# KiCad board Label_LG.kicad_pcb
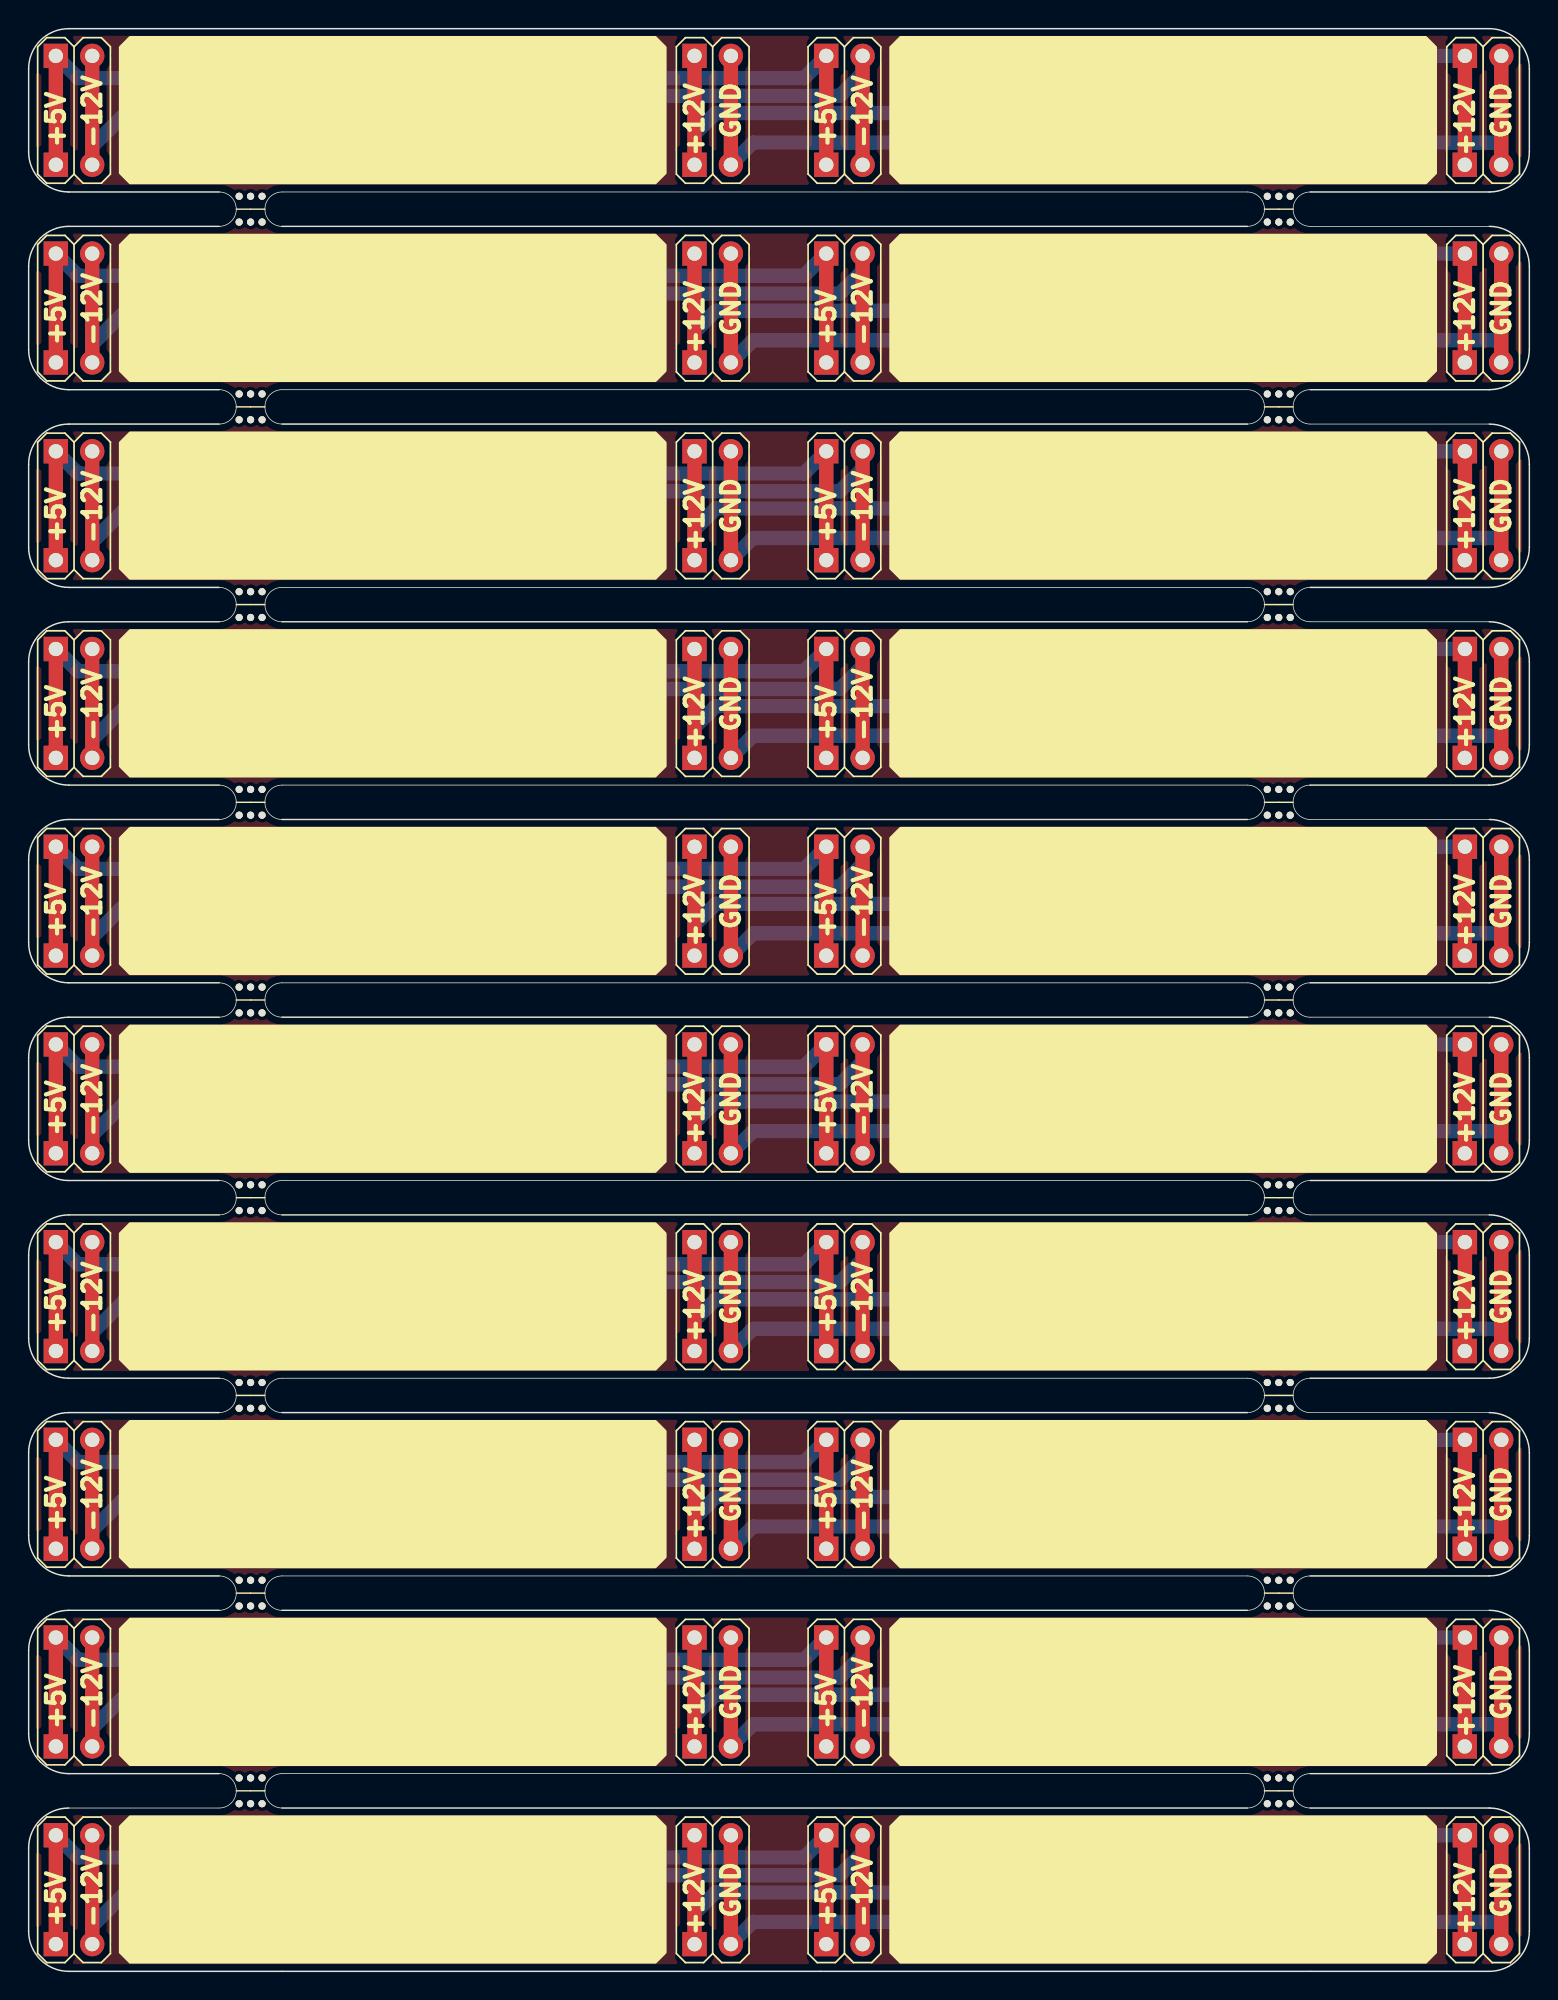
[diagram p0: board, top side]
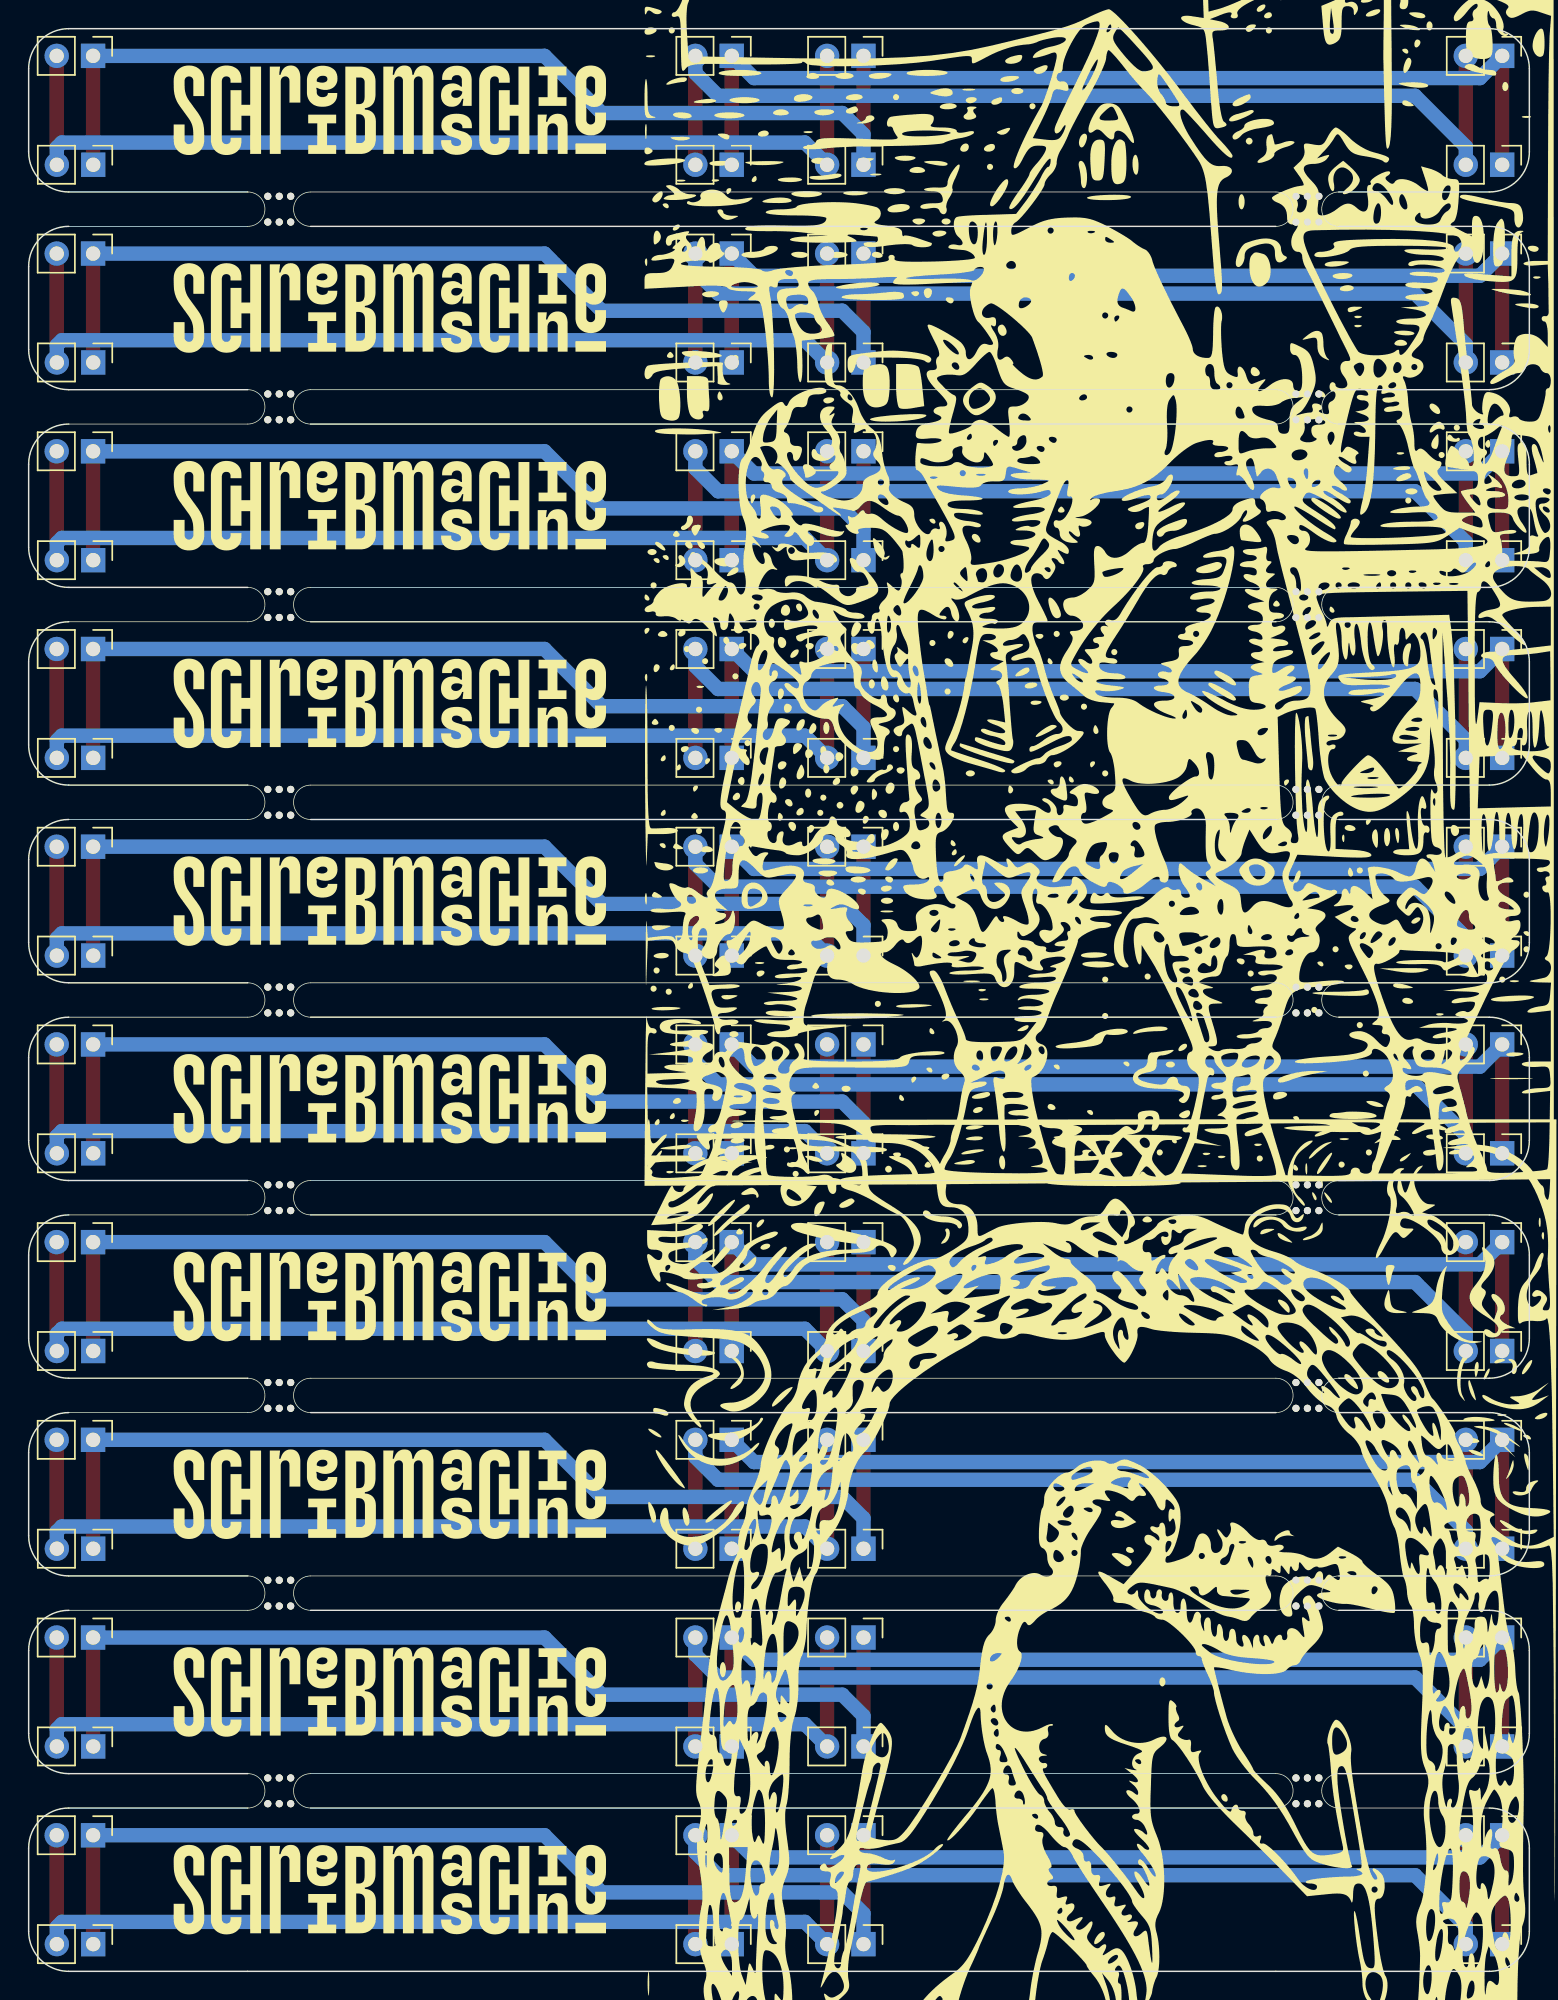
[diagram p1: board, bottom side, seen from below]

Outline 104.8 x 135.6 mm; copper layers: Top, Bottom. Coordinates in mm from the lower left corner of the outline.
Outline path: 13.3,124.2 2.8,124.2 arc(0.82,125.02) 0,127 0,132.8 arc(0.82,134.78) 2.8,135.6 102,135.6 arc(103.98,134.78) 104.8,132.8 104.8,127 arc(103.98,125.02) 102,124.2 89.5,124.2 ; 13.3,121.8 2.8,121.8 arc(0.82,120.98) 0,119 0,113.2 arc(0.82,111.22) 2.8,110.4 13.3,110.4 ; 13.3,108 2.8,108 arc(0.82,107.18) 0,105.2 0,99.4 arc(0.82,97.42) 2.8,96.6 13.3,96.6 ; 13.3,94.2 2.8,94.2 arc(0.82,93.38) 0,91.4 0,85.6 arc(0.82,83.62) 2.8,82.8 13.3,82.8 ; 13.3,80.4 2.8,80.4 arc(0.82,79.58) 0,77.6 0,71.8 arc(0.82,69.82) 2.8,69 13.3,69 ; 13.3,66.6 2.8,66.6 arc(0.82,65.78) 0,63.8 0,58 arc(0.82,56.02) 2.8,55.2 13.3,55.2 ; 13.3,52.8 2.8,52.8 arc(0.82,51.98) 0,50 0,44.2 arc(0.82,42.22) 2.8,41.4 13.3,41.4 ; 13.3,39 2.8,39 arc(0.82,38.18) 0,36.2 0,30.4 arc(0.82,28.42) 2.8,27.6 13.3,27.6 ; 13.3,25.2 2.8,25.2 arc(0.82,24.38) 0,22.4 0,16.6 arc(0.82,14.62) 2.8,13.8 13.3,13.8 ; 13.3,11.4 2.8,11.4 arc(0.82,10.58) 0,8.6 0,2.8 arc(0.82,0.82) 2.8,0 102,0 arc(103.98,0.82) 104.8,2.8 104.8,8.6 arc(103.98,10.58) 102,11.4 89.5,11.4 ; 17.7,124.2 85.1,124.2 ; 17.7,110.4 85.1,110.4 ; 17.7,96.6 85.1,96.6 ; 17.7,82.8 85.1,82.8 ; 17.7,69 85.1,69 ; 17.7,55.2 85.1,55.2 ; 17.7,41.4 85.1,41.4 ; 17.7,27.6 85.1,27.6 ; 17.7,13.8 85.1,13.8 ; 85.1,121.8 17.7,121.8 ; 85.1,108 17.7,108 ; 85.1,94.2 17.7,94.2 ; 85.1,80.4 17.7,80.4 ; 85.1,66.6 17.7,66.6 ; 85.1,52.8 17.7,52.8 ; 85.1,39 17.7,39 ; 85.1,25.2 17.7,25.2 ; 85.1,11.4 17.7,11.4 ; 89.5,110.4 102,110.4 arc(103.98,111.22) 104.8,113.2 104.8,119 arc(103.98,120.98) 102,121.8 89.5,121.8 ; 89.5,96.6 102,96.6 arc(103.98,97.42) 104.8,99.4 104.8,105.2 arc(103.98,107.18) 102,108 89.5,108 ; 89.5,82.8 102,82.8 arc(103.98,83.62) 104.8,85.6 104.8,91.4 arc(103.98,93.38) 102,94.2 89.5,94.2 ; 89.5,69 102,69 arc(103.98,69.82) 104.8,71.8 104.8,77.6 arc(103.98,79.58) 102,80.4 89.5,80.4 ; 89.5,55.2 102,55.2 arc(103.98,56.02) 104.8,58 104.8,63.8 arc(103.98,65.78) 102,66.6 89.5,66.6 ; 89.5,41.4 102,41.4 arc(103.98,42.22) 104.8,44.2 104.8,50 arc(103.98,51.98) 102,52.8 89.5,52.8 ; 89.5,27.6 102,27.6 arc(103.98,28.42) 104.8,30.4 104.8,36.2 arc(103.98,38.18) 102,39 89.5,39 ; 89.5,13.8 102,13.8 arc(103.98,14.62) 104.8,16.6 104.8,22.4 arc(103.98,24.38) 102,25.2 89.5,25.2

## Placement (name value [footprint] x y rotation side)
J25  NW  [PinHeader_1x02_P2.54mm_Vertical]  1.9 23.3 270 bottom
J25#2  NW  [PinHeader_1x02_P2.54mm_Vertical]  1.9 78.5 270 bottom
J25#3  NW  [PinHeader_1x02_P2.54mm_Vertical]  1.9 64.7 270 bottom
J25#4  NW  [PinHeader_1x02_P2.54mm_Vertical]  1.9 119.9 270 bottom
J25#5  NW  [PinHeader_1x02_P2.54mm_Vertical]  1.9 92.3 270 bottom
J25#6  NW  [PinHeader_1x02_P2.54mm_Vertical]  1.9 133.7 270 bottom
J25#7  NW  [PinHeader_1x02_P2.54mm_Vertical]  1.9 106.1 270 bottom
J25#8  NW  [PinHeader_1x02_P2.54mm_Vertical]  1.9 9.5 270 bottom
J25#9  NW  [PinHeader_1x02_P2.54mm_Vertical]  1.9 50.9 270 bottom
J25#10  NW  [PinHeader_1x02_P2.54mm_Vertical]  1.9 37.1 270 bottom
J29  SW  [PinHeader_1x02_P2.54mm_Vertical]  1.9 84.7 270 bottom
J29#2  SW  [PinHeader_1x02_P2.54mm_Vertical]  1.9 126.1 270 bottom
J29#3  SW  [PinHeader_1x02_P2.54mm_Vertical]  1.9 57.1 270 bottom
J29#4  SW  [PinHeader_1x02_P2.54mm_Vertical]  1.9 1.9 270 bottom
J29#5  SW  [PinHeader_1x02_P2.54mm_Vertical]  1.9 43.3 270 bottom
J29#6  SW  [PinHeader_1x02_P2.54mm_Vertical]  1.9 98.5 270 bottom
J29#7  SW  [PinHeader_1x02_P2.54mm_Vertical]  1.9 70.9 270 bottom
J29#8  SW  [PinHeader_1x02_P2.54mm_Vertical]  1.9 29.5 270 bottom
J29#9  SW  [PinHeader_1x02_P2.54mm_Vertical]  1.9 112.3 270 bottom
J29#10  SW  [PinHeader_1x02_P2.54mm_Vertical]  1.9 15.7 270 bottom
J32  NE  [PinHeader_1x02_P2.54mm_Vertical]  46.5 37.1 270 bottom
J32#2  NE  [PinHeader_1x02_P2.54mm_Vertical]  46.5 50.9 270 bottom
J32#3  NE  [PinHeader_1x02_P2.54mm_Vertical]  46.5 9.5 270 bottom
J32#4  NE  [PinHeader_1x02_P2.54mm_Vertical]  46.5 119.9 270 bottom
J32#5  NE  [PinHeader_1x02_P2.54mm_Vertical]  46.5 133.7 270 bottom
J32#6  NE  [PinHeader_1x02_P2.54mm_Vertical]  46.5 23.3 270 bottom
J32#7  NE  [PinHeader_1x02_P2.54mm_Vertical]  46.5 106.1 270 bottom
J32#8  NE  [PinHeader_1x02_P2.54mm_Vertical]  46.5 92.3 270 bottom
J32#9  NE  [PinHeader_1x02_P2.54mm_Vertical]  46.5 78.5 270 bottom
J32#10  NE  [PinHeader_1x02_P2.54mm_Vertical]  46.5 64.7 270 bottom
J34  SE  [PinHeader_1x02_P2.54mm_Vertical]  46.5 112.3 270 bottom
J34#2  SE  [PinHeader_1x02_P2.54mm_Vertical]  46.5 70.9 270 bottom
J34#3  SE  [PinHeader_1x02_P2.54mm_Vertical]  46.5 126.1 270 bottom
J34#4  SE  [PinHeader_1x02_P2.54mm_Vertical]  46.5 57.1 270 bottom
J34#5  SE  [PinHeader_1x02_P2.54mm_Vertical]  46.5 84.7 270 bottom
J34#6  SE  [PinHeader_1x02_P2.54mm_Vertical]  46.5 98.5 270 bottom
J34#7  SE  [PinHeader_1x02_P2.54mm_Vertical]  46.5 29.5 270 bottom
J34#8  SE  [PinHeader_1x02_P2.54mm_Vertical]  46.5 43.3 270 bottom
J34#9  SE  [PinHeader_1x02_P2.54mm_Vertical]  46.5 1.9 270 bottom
J34#10  SE  [PinHeader_1x02_P2.54mm_Vertical]  46.5 15.7 270 bottom
J36  NW  [PinHeader_1x02_P2.54mm_Vertical]  55.7 106.1 270 bottom
J36#2  NW  [PinHeader_1x02_P2.54mm_Vertical]  55.7 9.5 270 bottom
J36#3  NW  [PinHeader_1x02_P2.54mm_Vertical]  55.7 78.5 270 bottom
J36#4  NW  [PinHeader_1x02_P2.54mm_Vertical]  55.7 133.7 270 bottom
J36#5  NW  [PinHeader_1x02_P2.54mm_Vertical]  55.7 23.3 270 bottom
J36#6  NW  [PinHeader_1x02_P2.54mm_Vertical]  55.7 64.7 270 bottom
J36#7  NW  [PinHeader_1x02_P2.54mm_Vertical]  55.7 92.3 270 bottom
J36#8  NW  [PinHeader_1x02_P2.54mm_Vertical]  55.7 50.9 270 bottom
J36#9  NW  [PinHeader_1x02_P2.54mm_Vertical]  55.7 37.1 270 bottom
J36#10  NW  [PinHeader_1x02_P2.54mm_Vertical]  55.7 119.9 270 bottom
J38  SW  [PinHeader_1x02_P2.54mm_Vertical]  55.7 1.9 270 bottom
J38#2  SW  [PinHeader_1x02_P2.54mm_Vertical]  55.7 84.7 270 bottom
J38#3  SW  [PinHeader_1x02_P2.54mm_Vertical]  55.7 43.3 270 bottom
J38#4  SW  [PinHeader_1x02_P2.54mm_Vertical]  55.7 126.1 270 bottom
J38#5  SW  [PinHeader_1x02_P2.54mm_Vertical]  55.7 98.5 270 bottom
J38#6  SW  [PinHeader_1x02_P2.54mm_Vertical]  55.7 29.5 270 bottom
J38#7  SW  [PinHeader_1x02_P2.54mm_Vertical]  55.7 15.7 270 bottom
J38#8  SW  [PinHeader_1x02_P2.54mm_Vertical]  55.7 70.9 270 bottom
J38#9  SW  [PinHeader_1x02_P2.54mm_Vertical]  55.7 112.3 270 bottom
J38#10  SW  [PinHeader_1x02_P2.54mm_Vertical]  55.7 57.1 270 bottom
J40  NE  [PinHeader_1x02_P2.54mm_Vertical]  100.3 9.5 270 bottom
J40#2  NE  [PinHeader_1x02_P2.54mm_Vertical]  100.3 92.3 270 bottom
J40#3  NE  [PinHeader_1x02_P2.54mm_Vertical]  100.3 37.1 270 bottom
J40#4  NE  [PinHeader_1x02_P2.54mm_Vertical]  100.3 133.7 270 bottom
J40#5  NE  [PinHeader_1x02_P2.54mm_Vertical]  100.3 50.9 270 bottom
J40#6  NE  [PinHeader_1x02_P2.54mm_Vertical]  100.3 78.5 270 bottom
J40#7  NE  [PinHeader_1x02_P2.54mm_Vertical]  100.3 64.7 270 bottom
J40#8  NE  [PinHeader_1x02_P2.54mm_Vertical]  100.3 23.3 270 bottom
J40#9  NE  [PinHeader_1x02_P2.54mm_Vertical]  100.3 119.9 270 bottom
J40#10  NE  [PinHeader_1x02_P2.54mm_Vertical]  100.3 106.1 270 bottom
J42  SE  [PinHeader_1x02_P2.54mm_Vertical]  100.29 15.7 270 bottom
J42#2  SE  [PinHeader_1x02_P2.54mm_Vertical]  100.29 57.1 270 bottom
J42#3  SE  [PinHeader_1x02_P2.54mm_Vertical]  100.29 1.9 270 bottom
J42#4  SE  [PinHeader_1x02_P2.54mm_Vertical]  100.29 43.3 270 bottom
J42#5  SE  [PinHeader_1x02_P2.54mm_Vertical]  100.29 98.5 270 bottom
J42#6  SE  [PinHeader_1x02_P2.54mm_Vertical]  100.29 70.9 270 bottom
J42#7  SE  [PinHeader_1x02_P2.54mm_Vertical]  100.29 84.7 270 bottom
J42#8  SE  [PinHeader_1x02_P2.54mm_Vertical]  100.29 126.1 270 bottom
J42#9  SE  [PinHeader_1x02_P2.54mm_Vertical]  100.29 112.3 270 bottom
J42#10  SE  [PinHeader_1x02_P2.54mm_Vertical]  100.29 29.5 270 bottom
REF**  -  [Mousebite2mm]  15.5 123 0 top
REF**#2  -  [Mousebite2mm]  15.5 67.8 0 top
REF**#3  -  [Mousebite2mm]  15.5 26.4 0 top
REF**#4  -  [Mousebite2mm]  87.3 54 0 top
REF**#5  -  [Mousebite2mm]  15.5 81.6 0 top
REF**#6  -  [Mousebite2mm]  87.3 12.6 0 top
REF**#7  -  [Mousebite2mm]  15.5 40.2 0 top
REF**#8  -  [Mousebite2mm]  87.3 40.2 0 top
REF**#9  -  [Mousebite2mm]  15.5 109.2 0 top
REF**#10  -  [Mousebite2mm]  87.3 26.4 0 top
REF**#11  -  [Mousebite2mm]  87.3 81.6 0 top
REF**#12  -  [Mousebite2mm]  15.5 54 0 top
REF**#13  -  [Mousebite2mm]  87.3 123 0 top
REF**#14  -  [Mousebite2mm]  15.5 12.6 0 top
REF**#15  -  [Mousebite2mm]  87.3 95.4 0 top
REF**#16  -  [Mousebite2mm]  87.3 67.8 0 top
REF**#17  -  [Mousebite2mm]  15.5 95.4 0 top
REF**#18  -  [Mousebite2mm]  87.3 109.2 0 top

## Footprints (pads in the part's own frame, mm; a bottom-side part is the same pattern mirrored in y, then rotated)
Mousebite2mm
  round 0.5 hole 0.5 unplated: (-0.8,0.9) (-0.8,-0.9) (0,0.9) (0,-0.9) (0.8,0.9) (0.8,-0.9)
PinHeader_1x02_P2.54mm_Vertical
  rect 1.7x1.7 hole 1: 1(0,0)
  oval 1.7x1.7 hole 1: 2(0,-2.54)

## Nets
Net-(J25-Pin_1): J25.1 J25#2.1 J25#3.1 J25#4.1 J25#5.1 J25#6.1 J25#7.1 J25#8.1 J25#9.1 J25#10.1 J29.1 J29#2.1 J29#3.1 J29#4.1 J29#5.1 J29#6.1 J29#7.1 J29#8.1 J29#9.1 J29#10.1 J36.1 J36#2.1 J36#3.1 J36#4.1 J36#5.1 J36#6.1 J36#7.1 J36#8.1 J36#9.1 J36#10.1 J38.1 J38#2.1 J38#3.1 J38#4.1 J38#5.1 J38#6.1 J38#7.1 J38#8.1 J38#9.1 J38#10.1
Net-(J25-Pin_2): J25.2 J25#2.2 J25#3.2 J25#4.2 J25#5.2 J25#6.2 J25#7.2 J25#8.2 J25#9.2 J25#10.2 J29.2 J29#2.2 J29#3.2 J29#4.2 J29#5.2 J29#6.2 J29#7.2 J29#8.2 J29#9.2 J29#10.2 J36.2 J36#2.2 J36#3.2 J36#4.2 J36#5.2 J36#6.2 J36#7.2 J36#8.2 J36#9.2 J36#10.2 J38.2 J38#2.2 J38#3.2 J38#4.2 J38#5.2 J38#6.2 J38#7.2 J38#8.2 J38#9.2 J38#10.2
Net-(J32-Pin_1): J32.1 J32#2.1 J32#3.1 J32#4.1 J32#5.1 J32#6.1 J32#7.1 J32#8.1 J32#9.1 J32#10.1 J34.1 J34#2.1 J34#3.1 J34#4.1 J34#5.1 J34#6.1 J34#7.1 J34#8.1 J34#9.1 J34#10.1 J40.1 J40#2.1 J40#3.1 J40#4.1 J40#5.1 J40#6.1 J40#7.1 J40#8.1 J40#9.1 J40#10.1 J42.1 J42#2.1 J42#3.1 J42#4.1 J42#5.1 J42#6.1 J42#7.1 J42#8.1 J42#9.1 J42#10.1
Net-(J32-Pin_2): J32.2 J32#2.2 J32#3.2 J32#4.2 J32#5.2 J32#6.2 J32#7.2 J32#8.2 J32#9.2 J32#10.2 J34.2 J34#2.2 J34#3.2 J34#4.2 J34#5.2 J34#6.2 J34#7.2 J34#8.2 J34#9.2 J34#10.2 J40.2 J40#2.2 J40#3.2 J40#4.2 J40#5.2 J40#6.2 J40#7.2 J40#8.2 J40#9.2 J40#10.2 J42.2 J42#2.2 J42#3.2 J42#4.2 J42#5.2 J42#6.2 J42#7.2 J42#8.2 J42#9.2 J42#10.2

## Routing (per net, layer and track width the routed paths; a pad name or vN(x,y) marks a point on that pad's centre or on a via; arc(x,y) is an arc through that point)
Net-(J25-Pin_1): length 702.8
  Top w1: J38#10.1 J36#6.1 ; J38#8.1 J36#3.1 ; J38#7.1 J36#5.1 ; J38#5.1 J36.1 ; J38#4.1 J36#4.1 ; J25#10.1 J29#8.1 ; J38#3.1 J36#8.1 ; J25#2.1 J29#7.1 ; J25#3.1 J29#3.1 ; J38#2.1 J36#7.1 ; J25#8.1 J29#4.1 ; J38#9.1 J36#10.1 ; J25#4.1 J29#9.1 ; J25.1 J29#10.1 ; J25#5.1 J29.1 ; J25#7.1 J29#6.1 ; J38.1 J36#2.1 ; J25#6.1 J29#2.1 ; J25#9.1 J29#5.1 ; J38#6.1 J36#9.1
  Bottom w1: J25#2.1 3.45,76.95 54.15,76.95 J36#3.1 ; J25#3.1 3.45,63.15 54.15,63.15 J36#6.1 ; J36.1 54.15,104.55 3.45,104.55 J25#7.1 ; J25#8.1 3.45,7.95 54.15,7.95 J36#2.1 ; J25#6.1 3.45,132.15 54.15,132.15 J36#4.1 ; J36#8.1 54.15,49.35 3.45,49.35 J25#9.1 ; J25.1 3.45,21.75 54.15,21.75 J36#5.1 ; J25#4.1 3.45,118.35 54.15,118.35 J36#10.1 ; J25#10.1 3.45,35.55 54.15,35.55 J36#9.1 ; J25#5.1 3.45,90.75 54.15,90.75 J36#7.1
Net-(J25-Pin_2): length 736
  Top w1: J25#2.2 J29#7.2 ; J38#3.2 J36#8.2 ; J38#7.2 J36#5.2 ; J38#9.2 J36#10.2 ; J25#10.2 J29#8.2 ; J25#3.2 J29#3.2 ; J25#5.2 J29.2 ; J38#5.2 J36.2 ; J38#6.2 J36#9.2 ; J25#8.2 J29#4.2 ; J25#7.2 J29#6.2 ; J38#2.2 J36#7.2 ; J25#9.2 J29#5.2 ; J25#6.2 J29#2.2 ; J25.2 J29#10.2 ; J25#4.2 J29#9.2 ; J38#8.2 J36#3.2 ; J38#10.2 J36#6.2 ; J38#4.2 J36#4.2 ; J38.2 J36#2.2
  Bottom w1: J36#7.2 58.24,91.1 56.65,89.51 7.98,89.51 4.44,85.97 J29.2 ; J29#2.2 4.44,127.37 7.98,130.91 56.65,130.91 58.24,132.5 J36#4.2 ; J29#8.2 4.44,30.77 7.98,34.31 56.65,34.31 58.24,35.9 J36#9.2 ; J36#5.2 58.24,22.1 56.65,20.51 7.98,20.51 4.44,16.97 J29#10.2 ; J36#3.2 58.24,77.3 56.65,75.71 7.98,75.71 4.44,72.17 J29#7.2 ; J36#10.2 58.24,118.7 56.65,117.11 7.98,117.11 4.44,113.57 J29#9.2 ; J29#3.2 4.44,58.37 7.98,61.91 56.65,61.91 58.24,63.5 J36#6.2 ; J29#6.2 4.44,99.77 7.98,103.31 56.65,103.31 58.24,104.9 J36.2 ; J36#8.2 58.24,49.7 56.65,48.11 7.98,48.11 4.44,44.57 J29#5.2 ; J36#2.2 58.24,8.3 56.65,6.71 7.98,6.71 4.44,3.17 J29#4.2
Net-(J32-Pin_1): length 734
  Top w1: J34#9.1 J32#3.1 ; J40#6.1 100.3,70.91 J42#6.1 ; J34.1 J32#4.1 ; J42#7.1 100.3,84.71 J40#2.1 ; J40#5.1 100.3,43.31 J42#4.1 ; J40#3.1 100.3,29.51 J42#10.1 ; J34#7.1 J32.1 ; J40.1 100.3,1.91 J42#3.1 ; J42.1 100.3,15.71 J40#8.1 ; J34#10.1 J32#6.1 ; J40#4.1 100.3,126.11 J42#8.1 ; J40#10.1 100.3,98.51 J42#5.1 ; J34#2.1 J32#9.1 ; J34#6.1 J32#7.1 ; J42#2.1 100.3,57.11 J40#7.1 ; J34#4.1 J32#10.1 ; J34#3.1 J32#5.1 ; J42#9.1 100.3,112.31 J40#9.1 ; J34#5.1 J32#8.1 ; J34#8.1 J32#2.1
  Bottom w1: J34#7.1 46.5,31.63 47.98,33.11 64.78,33.11 68.77,37.1 J40#3.1 ; J40#4.1 68.77,133.7 64.78,129.71 47.98,129.71 46.5,128.23 J34#3.1 ; J40#10.1 68.77,106.1 64.78,102.11 47.98,102.11 46.5,100.63 J34#6.1 ; J40#9.1 68.77,119.9 64.78,115.91 47.98,115.91 46.5,114.43 J34.1 ; J34#10.1 46.5,17.83 47.98,19.31 64.78,19.31 68.77,23.3 J40#8.1 ; J34#4.1 46.5,59.23 47.98,60.71 64.78,60.71 68.77,64.7 J40#7.1 ; J40#5.1 68.77,50.9 64.78,46.91 47.98,46.91 46.5,45.43 J34#8.1 ; J34#9.1 46.5,4.03 47.98,5.51 64.78,5.51 68.77,9.5 J40.1 ; J34#5.1 46.5,86.83 47.98,88.31 64.78,88.31 68.77,92.3 J40#2.1 ; J40#6.1 68.77,78.5 64.78,74.51 47.98,74.51 46.5,73.03 J34#2.1
Net-(J32-Pin_2): length 709.8
  Top w1: J42#7.2 102.84,84.71 J40#2.2 ; J40#7.2 102.84,57.11 J42#2.2 ; J34#9.2 J32#3.2 ; J42#3.2 102.84,1.91 J40.2 ; J34#6.2 J32#7.2 ; J42#5.2 102.84,98.51 J40#10.2 ; J34#10.2 J32#6.2 ; J42#10.2 102.84,29.51 J40#3.2 ; J34#3.2 J32#5.2 ; J40#4.2 102.84,126.11 J42#8.2 ; J34#2.2 J32#9.2 ; J34.2 J32#4.2 ; J40#9.2 102.84,112.31 J42#9.2 ; J34#7.2 J32.2 ; J42.2 102.84,15.71 J40#8.2 ; J40#6.2 102.84,70.91 J42#6.2 ; J34#8.2 J32#2.2 ; J42#4.2 102.84,43.31 J40#5.2 ; J34#5.2 J32#8.2 ; J34#4.2 J32#10.2
  Bottom w1: J42#10.2 102.83,30.7 102.48,31.05 50.59,31.05 J34#7.2 ; J34#4.2 50.59,58.65 102.48,58.65 102.83,58.3 J42#2.2 ; J34.2 50.59,113.85 102.48,113.85 102.83,113.5 J42#9.2 ; J34#3.2 50.59,127.65 102.48,127.65 102.83,127.3 J42#8.2 ; J34#6.2 50.59,100.05 102.48,100.05 102.83,99.7 J42#5.2 ; J34#9.2 50.59,3.45 102.48,3.45 102.83,3.1 J42#3.2 ; J42.2 102.83,16.9 102.48,17.25 50.59,17.25 J34#10.2 ; J34#2.2 50.59,72.45 102.48,72.45 102.83,72.1 J42#6.2 ; J42#7.2 102.83,85.9 102.48,86.25 50.59,86.25 J34#5.2 ; J34#8.2 50.59,44.85 102.48,44.85 102.83,44.5 J42#4.2

## Copper pours and planes (outline as drawn; the poured copper is in the pictures)
(no net) on Top: 104.9,80.5 -0.1,80.5 -0.1,68.9 104.9,68.9
(no net) on Top: 104.9,11.5 -0.1,11.5 -0.1,-0.1 104.9,-0.1
(no net) on Top: 104.9,135.7 -0.1,135.7 -0.1,124.1 104.9,124.1
(no net) on Top: 104.9,25.3 -0.1,25.3 -0.1,13.7 104.9,13.7
(no net) on Top: 104.9,52.9 -0.1,52.9 -0.1,41.3 104.9,41.3
(no net) on Top: 104.9,39.1 -0.1,39.1 -0.1,27.5 104.9,27.5
(no net) on Top: 104.9,121.9 -0.1,121.9 -0.1,110.3 104.9,110.3
(no net) on Top: 104.9,108.1 -0.1,108.1 -0.1,96.5 104.9,96.5
(no net) on Top: 104.9,66.7 -0.1,66.7 -0.1,55.1 104.9,55.1
(no net) on Top: 104.9,94.3 -0.1,94.3 -0.1,82.7 104.9,82.7

## Text on the board
F.Silkscreen: +5V | -12V | +12V | GND
